# Altium PCB CM4-Tower.PcbDoc (part 1 of 10) (continued)
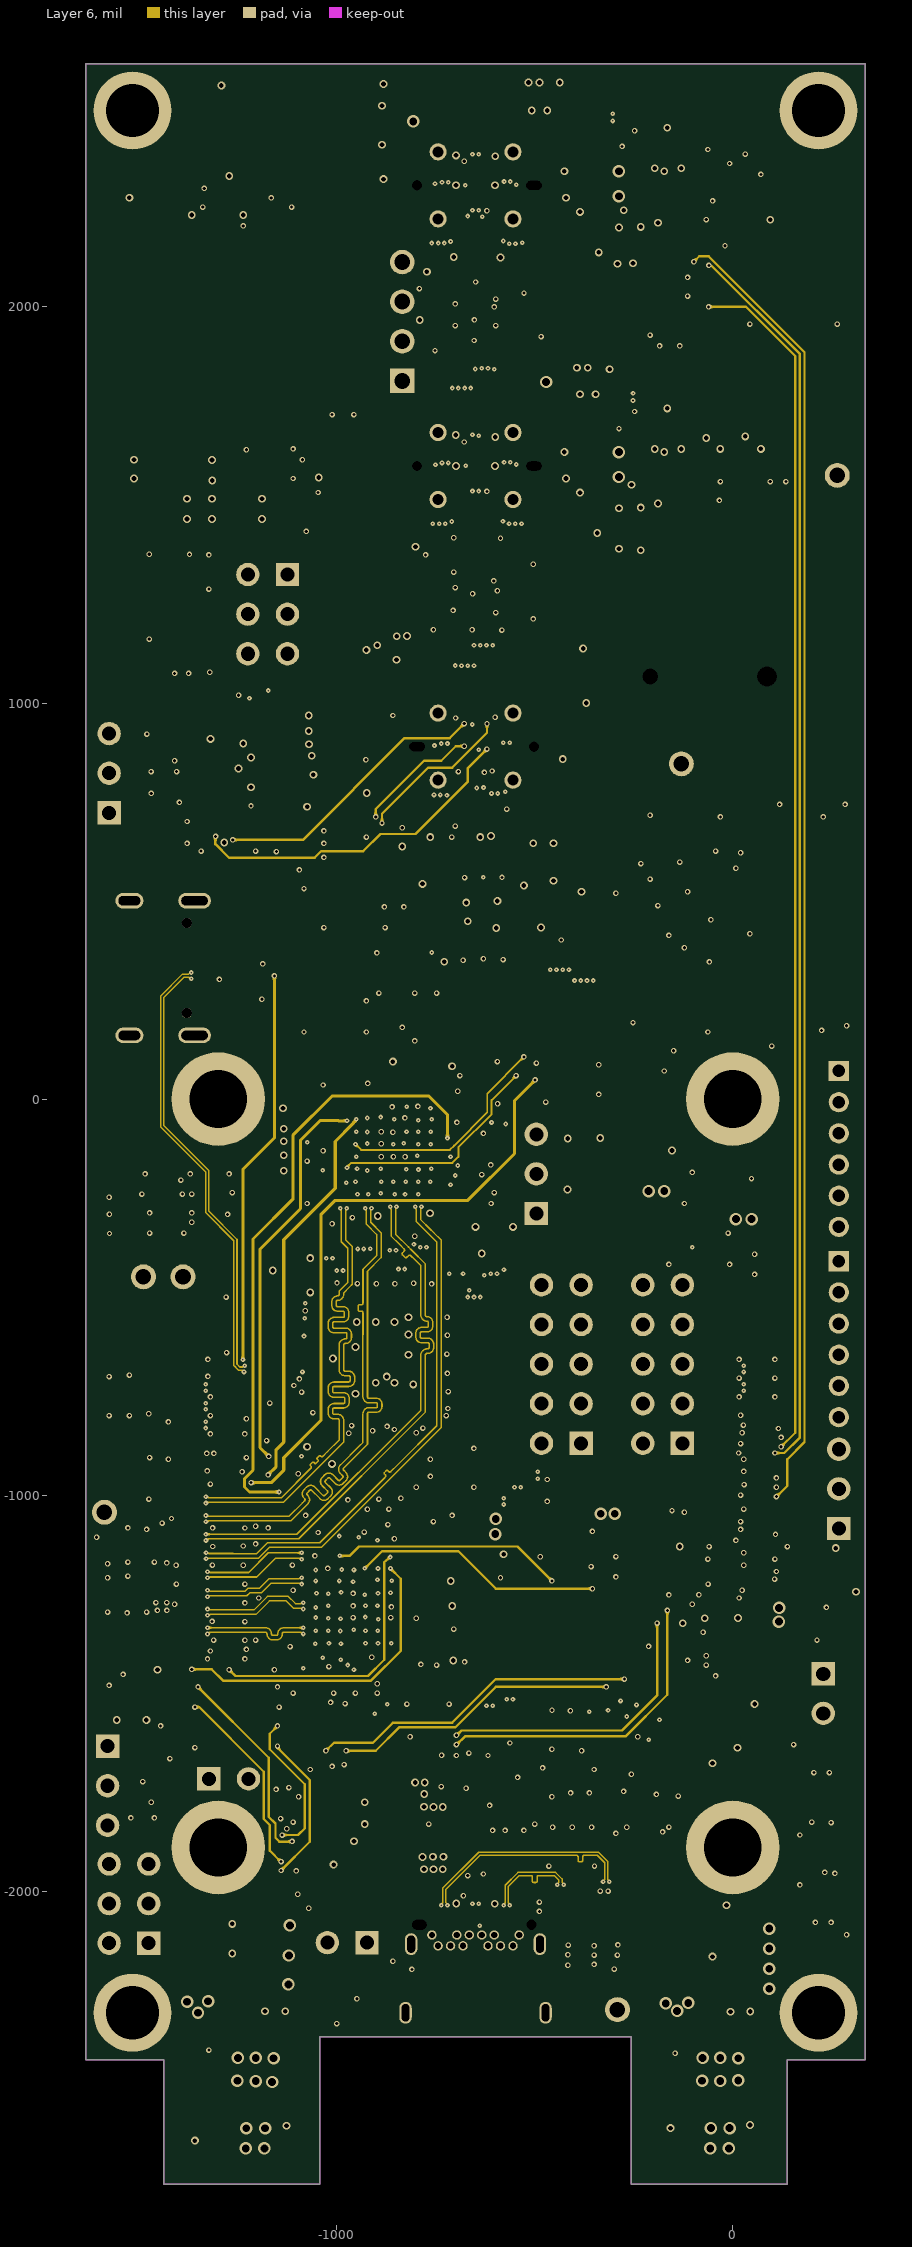
[diagram p6: Layer 6]
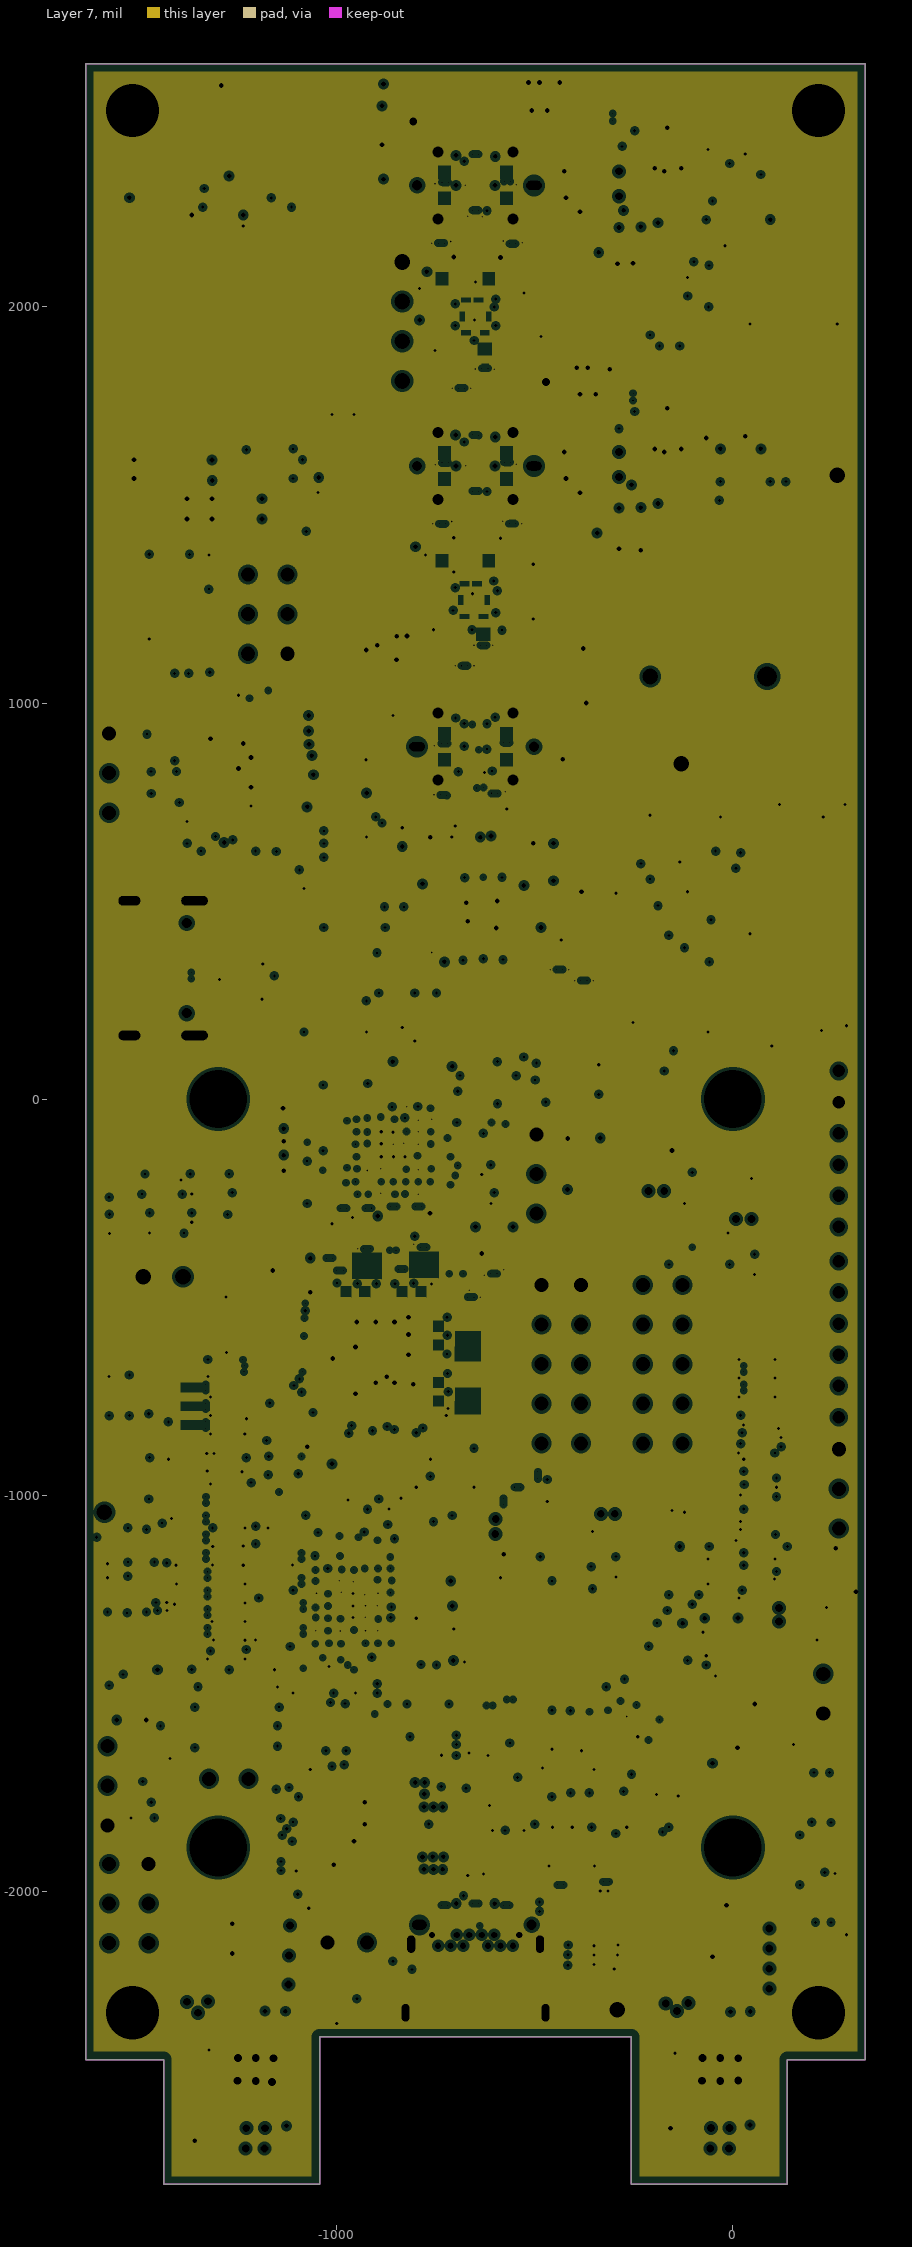
[diagram p7: Layer 7, clearances drawn from the general rule]

## Layer stack, top to bottom
Top Solder: solder mask 0.4, Solder Resist, Dk 3.5
Top Layer: signal copper 1.378
Dielectric 1: prepreg 4.6, PP-016, Dk 4.4
Layer 2: plane copper 0.7087, net GND
Dielectric 2: core 12, Core-031, Dk 4.4
Layer 3: signal copper 0.7087
Dielectric 3: prepreg 4.6, PP-016, Dk 4.4
Layer 4: plane copper 0.7087, net (Multiple Nets)
Dielectric 4: core 12, Core-031, Dk 4.4
Layer 5: plane copper 0.7087, net (Multiple Nets)
Dielectric 5: prepreg 4.6, PP-016, Dk 4.4
Layer 6: signal copper 0.7087
Dielectric 6: core 12, Core-031, Dk 4.4
Layer 7: plane copper 0.7087, net GND
Dielectric 7: prepreg 4.6, PP-016, Dk 4.4
Bottom Layer: signal copper 1.378
Bottom Solder: solder mask 0.4, Solder Resist, Dk 3.5

## Board outline
-1437.01,-2740.16 -1437.01,-2425.2 -1633.86,-2425.2 -1633.86,2614.17 334.65,2614.17 334.65,-2425.2 137.8,-2425.2 137.8,-2740.16 -255.91,-2740.16 -255.91,-2368.11 -1043.31,-2368.11 -1043.31,-2740.16

## Design rules (kind name [scope] priority, off if disabled: settings)
BoardOutlineClearance BoardOutlineClearanceText [OnLayer('Top Overlay')   or        OnLayer('Bottom Overlay')] p1: gap=0 ignorepadtopadclearanceinfootprint=FALSE
BoardOutlineClearance [All] p2: gap=10 ignorepadtopadclearanceinfootprint=FALSE except(0: Arc-SplitBarrior Arc-SplitContinuation Track-SplitBarrior Track-SplitContinuation SMDPad-SplitBarrior SMDPad-SplitContinuation THPad-SplitBarrior THPad-SplitContinuation Via-SplitBarrior Via-SplitContinuation Fill-SplitBarrior Fill-SplitContinuation Poly-SplitBarrior Poly-SplitContinuation Region-SplitBarrior Region-SplitContinuation Text-SplitBarrior Text-SplitContinuation; 5: Via-OutlineEdge Via-CavityEdge Via-CutoutEdge)
Clearance clearance_diff_pairs [(InDifferentialPairClass('All Differential Pairs'))] p1: gap=3.94 ignorepadtopadclearanceinfootprint=TRUE
Clearance [All] p2: gap=5.91 ignorepadtopadclearanceinfootprint=TRUE
ComponentClearance [All] p1: gap=-5.91 collisioncheckmode=3 verticalgap=0 showdistances=FALSE
DiffPairsRouting DiffPairsRouting_HDMI [InDifferentialPairClass('D100')] p1: maxlimit=7.48 minlimit=5.12 mostfreqgap=7.48 toplayer_maxgap=5.12 toplayer_prefgap=5.12 toplayer_minwidth=4.92 toplayer_maxwidth=4.92 toplayer_prefwidth=4.92 midlayer2_mingap=7.48 midlayer2_minwidth=3.94 midlayer2_maxwidth=3.94 midlayer2_prefwidth=3.94 midlayer5_mingap=7.48 midlayer5_minwidth=3.94 midlayer5_maxwidth=3.94 midlayer5_prefwidth=3.94 bottomlayer_maxgap=5.12 bottomlayer_prefgap=5.12 bottomlayer_minwidth=4.92 bottomlayer_maxwidth=4.92 bottomlayer_prefwidth=4.92 impedanceprofiledriven=TRUE impedanceprofileid={28E3C14A-60BD-4F3E-A410-C27EE1F36098} impedanceprofilevalue=100.000000 filterlayerstackid={47B78BBF-7302-43D3-B572-ACE52A253E61} maxuncoupledlength=500
DiffPairsRouting DiffPairsRouting_DP [InDifferentialPairClass('D100')] p2: maxlimit=9.84 minlimit=4.92 mostfreqgap=9.84 toplayer_maxgap=4.92 toplayer_prefgap=4.92 toplayer_minwidth=4.92 toplayer_maxwidth=4.92 toplayer_prefwidth=4.92 midlayer2_mingap=9.84 midlayer2_minwidth=4.92 midlayer2_maxwidth=4.92 midlayer2_prefwidth=4.92 midlayer5_mingap=9.84 midlayer5_minwidth=4.92 midlayer5_maxwidth=4.92 midlayer5_prefwidth=4.92 bottomlayer_maxgap=4.92 bottomlayer_prefgap=4.92 bottomlayer_minwidth=4.92 bottomlayer_maxwidth=4.92 bottomlayer_prefwidth=4.92 impedanceprofiledriven=TRUE impedanceprofileid={F3C74481-073F-49C8-BC51-A010F1399566} impedanceprofilevalue=100.000000 filterlayerstackid={47B78BBF-7302-43D3-B572-ACE52A253E61} maxuncoupledlength=500
DiffPairsRouting DiffPairsRouting_USB3 [InDifferentialPairClass('D90')] p3: maxlimit=3.94 minlimit=3.94 mostfreqgap=3.94 toplayer_minwidth=5.91 toplayer_maxwidth=5.91 toplayer_prefwidth=5.91 midlayer2_minwidth=3.94 midlayer2_maxwidth=3.94 midlayer2_prefwidth=3.94 midlayer5_minwidth=3.94 midlayer5_maxwidth=3.94 midlayer5_prefwidth=3.94 bottomlayer_minwidth=5.91 bottomlayer_maxwidth=5.91 bottomlayer_prefwidth=5.91 impedanceprofiledriven=TRUE impedanceprofileid={A972A141-BB81-41D6-B414-C48216292ECE} impedanceprofilevalue=90.000000 filterlayerstackid={47B78BBF-7302-43D3-B572-ACE52A253E61} maxuncoupledlength=500
DiffPairsRouting DiffPairsRouting_PCIE [InDifferentialPairClass('D85')] p4: maxlimit=5 minlimit=4.92 mostfreqgap=5 toplayer_maxgap=4.92 toplayer_prefgap=4.92 toplayer_minwidth=7.09 toplayer_maxwidth=7.09 toplayer_prefwidth=7.09 midlayer2_mingap=5 midlayer2_minwidth=4.92 midlayer2_maxwidth=4.92 midlayer2_prefwidth=4.92 midlayer5_mingap=5 midlayer5_minwidth=4.92 midlayer5_maxwidth=4.92 midlayer5_prefwidth=4.92 bottomlayer_maxgap=4.92 bottomlayer_prefgap=4.92 bottomlayer_minwidth=7.09 bottomlayer_maxwidth=7.09 bottomlayer_prefwidth=7.09 impedanceprofiledriven=TRUE impedanceprofileid={7C5B1942-E924-41D1-B3D8-77226A926B3D} impedanceprofilevalue=85.000000 filterlayerstackid={47B78BBF-7302-43D3-B572-ACE52A253E61} maxuncoupledlength=500
Height [All] p1: minheight=0 maxheight=3937.01 prefheight=500
HoleSize [All] p1: absolutevalues=TRUE maxlimit=787.4 minlimit=3.74 maxpercent=80.000 minpercent=20.000
HoleToHoleClearance [All] p1: gap=9.84 allowstackedmicrovias=TRUE
MatchedLengths MatchLengths_DP1_Passives_IC4 [InxSignalClass('xSignals_DP1_Passives_IC4_MatchLengthsClass')] p1: tolerance=7.87 checknetsindiffpair=FALSE checkdiffpairvsdiffpair=TRUE checkxsignals=TRUE checkothers=TRUE
MatchedLengths MatchLengths_xSignals_DP1_Passives [InxSignalClass('xSignals_DP1_Passives_MatchLengthsClass')] p2: tolerance=7.87 checknetsindiffpair=FALSE checkdiffpairvsdiffpair=TRUE checkxsignals=TRUE checkothers=TRUE
MatchedLengths MatchLengths_xSignals_DP1 [InxSignalClass('xSignals_DP1_MatchLengthsClass')] p3: tolerance=7.87 checknetsindiffpair=FALSE checkdiffpairvsdiffpair=TRUE checkxsignals=TRUE checkothers=TRUE
MatchedLengths MatchLengths_DP0_Passives_IC14 [InxSignalClass('xSignals_DP0_Passives_IC14_MatchLengthsClass')] p4: tolerance=7.87 checknetsindiffpair=FALSE checkdiffpairvsdiffpair=TRUE checkxsignals=TRUE checkothers=TRUE
MatchedLengths MatchLengths_xSignals_DP0_Passives [InxSignalClass('xSignals_DP0_Passives_MatchLengthsClass')] p5: tolerance=7.87 checknetsindiffpair=FALSE checkdiffpairvsdiffpair=TRUE checkxsignals=TRUE checkothers=TRUE
MatchedLengths MatchLengths_xSignals_DP0 [InxSignalClass('xSignals_DP0_MatchLengthsClass')] p6: tolerance=7.87 checknetsindiffpair=FALSE checkdiffpairvsdiffpair=TRUE checkxsignals=TRUE checkothers=TRUE
MatchedLengths MatchLengths_xSignals_HDMI1 [InxSignalClass('xSignals_HDMI1_MatchLengthsClass')] p7: tolerance=19.68 checknetsindiffpair=FALSE checkdiffpairvsdiffpair=TRUE checkxsignals=TRUE checkothers=TRUE
MatchedLengths MatchLengths_xSignals_HDMI0 [InxSignalClass('xSignals_HDMI0_MatchLengthsClass')] p8: tolerance=15.75 checknetsindiffpair=FALSE checkdiffpairvsdiffpair=TRUE checkxsignals=TRUE checkothers=TRUE
MinimumAnnularRing [All] p1: minimumring=3.94
MinimumSolderMaskSliver [All] p1: minsoldermaskwidth=0
PlaneClearance PlaneClearance_power [InNetClass('HIGH_POWER')] p1: clearance=11.81
PlaneClearance [All] p2: clearance=7.87
PlaneConnect [All] p1: planeconnectstyle=Direct reliefexpansion=20 reliefentries=4 reliefconductorwidth=10 reliefairgap=10
PolygonConnect [All] p1: connectstyle=Direct reliefconductorwidth=11.81 reliefentries=4 polygonreliefangle="90 Angle" airgapwidth=7.87
RoomDefinition EEPROM [InComponentClass('EEPROM')] p1: confinementstyle=ConfineIn formatcopy=TRUE lockcomponents=FALSE outline -1535.43,1649.61 -1098.43,1649.61 -1098.43,1429.13 -1535.43,1429.13
RoomDefinition USB_Type-C_DFP_0 [InComponentClass('USB_Type-C_DFP_0')] p2: confinementstyle=ConfineIn formatcopy=TRUE lockcomponents=FALSE outline -3602.36,-7149.61 -1602.36,-7149.61 -1602.36,-6149.61 -3602.36,-6149.61
RoomDefinition RTC [InComponentClass('RTC')] p3: confinementstyle=ConfineIn formatcopy=TRUE lockcomponents=FALSE outline -1551.18,2125.98 -866.14,2125.98 -866.14,2606.3 -1551.18,2606.3
RoomDefinition HDMI_to_DP_0 [InComponentClass('HDMI_to_DP_0')] p4: confinementstyle=ConfineIn formatcopy=TRUE lockcomponents=FALSE outline -1622.05,-1590.55 -637.8,-1590.55 -637.8,-992.13 -1622.05,-992.13
RoomDefinition PCIe_VL805 [InComponentClass('PCIe_VL805')] p5: confinementstyle=ConfineIn formatcopy=TRUE lockcomponents=FALSE outline -1629.15,-983.91 -609.47,-983.91 -609.47,-369.74 -1629.15,-369.74
RoomDefinition HDMI_to_DP_1 [InComponentClass('HDMI_to_DP_1')] p6: confinementstyle=ConfineIn formatcopy=TRUE lockcomponents=FALSE outline -307.09,-366.14 -307.09,224.41 -1622.05,224.41 -1622.05,-366.14
RoomDefinition USB_Type-C_DFP_1 [InComponentClass('USB_Type-C_DFP_1')] p7: confinementstyle=ConfineIn formatcopy=TRUE lockcomponents=FALSE outline -834.65,1098.24 98.43,1098.24 98.43,1873.83 -834.65,1873.83
RoomDefinition USB_Type-C_DFP_DP_ALT_buttom [InComponentClass('USB_Type-C_DFP_DP_ALT_buttom')] p8: confinementstyle=ConfineIn formatcopy=TRUE lockcomponents=FALSE outline -1114.17,-2366.14 -240.16,-2366.14 -240.16,-1594.49 -1114.17,-1594.49
RoomDefinition USB_Type-C_DFP_DP_ALT_0 [InComponentClass('USB_Type-C_DFP_DP_ALT_0')] p9: confinementstyle=ConfineIn formatcopy=TRUE lockcomponents=FALSE outline -1035.43,248.03 271.65,248.03 271.65,1102.36 -1035.43,1102.36
RoutingVias RoutingVias_DiffPair [InDifferentialPairClass('All Differential Pairs')] p1: holewidth=7.87 width=13.78 viastyle="Through Hole" minholewidth=7.87 minwidth=13.78 maxholewidth=7.87 maxwidth=13.78 useviatemplates=TRUE viatemplateguid#1={D500BBFF-6F57-44B9-AF77-6AA556ED18C5} viatemplatename#1=v30h10m0mx0
RoutingVias [All] p2: holewidth=11.81 width=19.68 viastyle="Through Hole" minholewidth=7.87 minwidth=13.78 maxholewidth=118.11 maxwidth=236.22 useviatemplates=TRUE viatemplateguid#1={D500BBFF-6F57-44B9-AF77-6AA556ED18C5} viatemplateguid#2={C56F2D39-7D5C-444F-8ED5-F5C2FB1094AE} viatemplateguid#3={4153C099-F13E-40CB-9A52-C342411DF9B8} viatemplateguid#4={511F5275-33DA-44CC-9D97-70A0F301AC4E} viatemplatename#1=v30h10m0mx0 viatemplatename#2=v35h20m0mx0 viatemplatename#3=v50h30m0mx0 viatemplatename#4=v80h50m0mx0
SilkToSilkClearance [All] p1: silktosilkclearance=0
SilkToSolderMaskClearance [IsPad] p1: minsilkscreentomaskgap=0 clearancetoexposedcopper=TRUE
SolderMaskExpansion [All] p1: expansion=4 istentingtop=FALSE
UnRoutedNet [All] p1: checkbadconnections=TRUE
Width Width_HighPWR [InNetClass('HIGH_POWER')] p1: maxlimit=78.74 minlimit=7.87 preferedwidth=23.62
Width Width_PWR [InNetClass('POWER')] p2: maxlimit=78.74 minlimit=7.87 preferedwidth=11.81
Width [All] p3: maxlimit=787.4 minlimit=3.94 preferedwidth=7.87
19 further rules are at their usual default settings.

## Classes and differential pairs
component class RTC: 2 B1 C162 D26 R214 R215 R216 R217 U6 Y1
component class EEPROM: C163 R218 R219 R220 R221 R222 U7
net class USB3_3: D_DFP.2_N D_DFP.2_P USB3_DFP_RX.2_N USB3_DFP_RX.2_P USB3_DFP_TX.2_N USB3_DFP_TX.2_P USB3_TX_C_N USB3_TX_C_P
net class USB3_1: D_N D_P USB1_RX_N USB1_RX_P USB1_TX_C_N USB1_TX_C_P USB1_TX_N USB1_TX_P
net class DP0: AUX_N AUX_P DP0_N DP0_P DP1_N DP1_P DP2_N DP2_P DP3_N DP3_P
differential pair class USB3: D RX1 RX2 TX1 TX2 USB2_TX USB3_DFP_RX_C.1 USB3_DFP_RX_C.2 USB3_DFP_RX_C_1 USB3_DFP_RX_C_2 USB3_DFP_TX.1 USB3_DFP_TX.2 USB3_DFP_TX_1 USB3_DFP_TX_2
net class USB_ALT1: DP_RX1_N DP_RX1_P DP_RX2_N DP_RX2_P DP_TX1_C_N DP_TX1_C_P DP_TX1_N DP_TX1_P DP_TX2_C_N DP_TX2_C_P DP_TX2_N DP_TX2_P RX1_N RX1_P RX2_N RX2_P TX1_C_N TX1_C_P TX1_N TX1_P TX2_C_N TX2_C_P TX2_N TX2_P
net class USB3: DP_USB3_RX_N DP_USB3_RX_P DP_USB3_TX_N DP_USB3_TX_P RX1_DFP.1_N RX1_DFP.1_P RX1_DFP.2_N RX1_DFP.2_P RX2_DFP.1_N RX2_DFP.1_P RX2_DFP.2_N RX2_DFP.2_P TX1_DFP_C.1_N TX1_DFP_C.1_P TX1_DFP_C.2_N TX1_DFP_C.2_P TX2_DFP_C.1_N TX2_DFP_C.1_P TX2_DFP_C.2_N TX2_DFP_C.2_P USB1_RX_N USB1_RX_P USB1_TX_N USB1_TX_P USB3_DFP_RX.1_N USB3_DFP_RX.1_P USB3_DFP_RX.2_N USB3_DFP_RX.2_P USB3_DFP_TX.1_N USB3_DFP_TX.1_P USB3_DFP_TX.2_N USB3_DFP_TX.2_P
net class USB3_4: D_DFP.1_N D_DFP.1_P USB3_DFP_RX.1_N USB3_DFP_RX.1_P USB3_DFP_TX.1_N USB3_DFP_TX.1_P USB4_TX_C_N USB4_TX_C_P
net class USB3_2: DP_D_N DP_D_P DP_USB3_RX_N DP_USB3_RX_P DP_USB3_TX_N DP_USB3_TX_P USB2_TX_C_N USB2_TX_C_P
net class USB2: D_DFP.1_N D_DFP.1_P D_DFP.2_N D_DFP.2_P D_N D_P DP_D_N DP_D_P USB_N USB_P
net class POWER: 1V2_L 1V05_L +1V2 +1V05 +3V3 +5V NetIC1_8 NetIC9_8 NetIC13_11 VBUS_DFP.1 VBUS_DFP.2
net class HIGH_POWER: VBUS VPWR
net class HDMI1: HDMI1_CEC HDMI1_CK_N HDMI1_CK_P HDMI1_HOT HDMI1_SCL HDMI1_SDA HDMI1_TD0_N HDMI1_TD0_P HDMI1_TD1_N HDMI1_TD1_P HDMI1_TD2_N HDMI1_TD2_P
net class HDMI0: HDMI0_CEC HDMI0_CK_N HDMI0_CK_P HDMI0_HOT HDMI0_SCL HDMI0_SDA HDMI0_TD0_N HDMI0_TD0_P HDMI0_TD1_N HDMI0_TD1_P HDMI0_TD2_N HDMI0_TD2_P
net class DP: XAUX.1_N XAUX.1_P XAUX.2_N XAUX.2_P XDP0.1_N XDP0.1_P XDP0.2_N XDP0.2_P XDP1.1_N XDP1.1_P XDP1.2_N XDP1.2_P XDP2.1_N XDP2.1_P XDP2.2_N XDP2.2_P XDP3.1_N XDP3.1_P XDP3.2_N XDP3.2_P
net class DP1: AUX.2_N AUX.2_P DP0.2_N DP0.2_P DP1.2_N DP1.2_P DP2.2_N DP2.2_P DP3.2_N DP3.2_P
net class D100: HDMI0_CK_N HDMI0_CK_P HDMI0_TD0_N HDMI0_TD0_P HDMI0_TD1_N HDMI0_TD1_P HDMI0_TD2_N HDMI0_TD2_P HDMI1_CK_N HDMI1_CK_P HDMI1_TD0_N HDMI1_TD0_P HDMI1_TD1_N HDMI1_TD1_P HDMI1_TD2_N HDMI1_TD2_P
net class D85: CLK_N CLK_P CLK_R_N CLK_R_P PCIE_RX_N PCIE_RX_P PCIE_TX_N PCIE_TX_P RX_R_N RX_R_P
component class USB_Type-C_DFP_DP_ALT_buttom: C46 C133 C134 C135 C136 C137 C138 C139 C140 C141 C142 C143 C144 C145 C146 C147 C149 C151 C152 C153 C154 C160 C161 CO5 D19 D20 D21 D22 D25 IC14 IC15 IC16 J9 R150 R151 R152 R153 R154 R155 R156 R157 R158 R159 R160 R161 R162 R163 R164 R165 R166 R167 R168 R169 R170 R171 R172 R173 R174 R175 R176 R177 R178 R180 R181 R182 R183 R186 R187 R190 R191 R197 R202 R203 R204 R205 R206 R207 R210 R211 R212 R213 X6
net class PCIe: CLK_N CLK_P CLK_R_N CLK_R_P CM4_rstn PCIE_CLK_NREQ PCIe_NRST PCIE_RX_N PCIE_RX_P PCIE_TX_N PCIE_TX_P RX_R_N RX_R_P
differential pair class D100: AUX AUX.2 AUX_1 AUX_2 DP0 DP0.2 DP0_1 DP0_2 DP1 DP1.2 DP1_1 DP1_2 DP2 DP2.2 DP2_1 DP2_2 DP3 DP3.2 DP3_1 DP3_2 HDMI0_CK HDMI0_TD0 HDMI0_TD1 HDMI0_TD2 HDMI1_CK HDMI1_TD0 HDMI1_TD1 HDMI1_TD2 TRD0 TRD1 TRD2 TRD3 XAUX.1 XAUX.2 XAUX_1 XAUX_2 XDP0.1 XDP0.2 XDP0_1 XDP0_2 XDP1.1 XDP1.2 XDP1_1 XDP1_2 XDP2.1 XDP2.2 XDP2_1 XDP2_2 XDP3.1 XDP3.2 XDP3_1 XDP3_2
channel class 06_USB_Type-C_DFP: USB_Type-C_DFP_0 USB_Type-C_DFP_1
channel class 05_HDMI_to_DP: HDMI_to_DP_0 HDMI_to_DP_1
component class USB_Type-C_DFP_DP_ALT_0: C31 C32 C33 C34 C35 C36 C37 C38 C39 C40 C41 C42 C43 C44 C45 C47 C48 C91 C130 C131 C132 C148 C159 CO1 CO403_1 D6 D7 D9 D17 D24 D403_1 D406_1 IC4 IC5 IC13 J4 J?_1 R44 R72 R73 R74 R75 R76 R77 R78 R79 R80 R81 R82 R83 R84 R85 R86 R87 R88 R89 R90 R91 R92 R93 R94 R95 R96 R98 R99 R100 R101 R102 R103 R105 R112 R144 R179 R184 R185 R188 R189 R192 R193 R194 R195 R196 R198 R199 R200 R201 X5
component class USB_Type-C_DFP_1: C21.2 C22.2 C23.2 C24.2 C25.2 C26.2 C27.2 C28.2 C29.2 C30.2 C126.2 C127.2 C150.2 C155.2 C156.2 C157.2 C158.2 C426_2 C428_2 CO4.2 CO403_2 D2.2 D4.2 D5.2 D8.2 D403_2 D406_2 IC3.2 IC6.2 IC403_2 R55.2 R56.2 R57.2 R58.2 R59.2 R60.2 R61.2 R62.2 R63.2 R64.2 R65.2 R66.2 R67.2 R68.2 R69.2 R97.2 R104.2 R106.2 R127.2 R128.2 R223.2 R237.2 R238.2 R239.2 R240.2 R241.2 R242.2 R243.2 R244.2
component class USB_Type-C_DFP_0: C21.1 C22.1 C23.1 C24.1 C25.1 C26.1 C27.1 C28.1 C29.1 C30.1 C126.1 C127.1 C150.1 C155.1 C156.1 C157.1 C158.1 C426_1 C428_1 CO4.1 CO403_1 D2.1 D4.1 D5.1 D8.1 D403_1 D406_1 IC3.1 IC6.1 IC403_1 R55.1 R56.1 R57.1 R58.1 R59.1 R60.1 R61.1 R62.1 R63.1 R64.1 R65.1 R66.1 R67.1 R68.1 R69.1 R97.1 R104.1 R106.1 R127.1 R128.1 R223.1 R237.1 R238.1 R239.1 R240.1 R241.1 R242.1 R243.1 R244.1
component class HDMI_to_DP_1: C92.2 C93.2 C94.2 C95.2 C96.2 C97.2 C98.2 C99.2 C100.2 C101.2 C102.2 C103.2 C104.2 C105.2 C106.2 C107.2 C108.2 C109.2 C110.2 C111.2 C112.2 C113.2 C114.2 C115.2 C116.2 C117.2 C118.2 C119.2 C120.2 C121.2 C122.2 C123.2 C124.2 C125.2 C128.2 C129.2 C501_2 C502_2 C503_2 C504_2 C505_2 C506_2 C507_2 C508_2 C509_2 C510_2 C511_2 C512_2 C513_2 C514_2 C515_2 C516_2 C517_2 C518_2 C519_2 C520_2 C521_2 C522_2 C523_2 C524_2 C525_2 C526_2 C527_2 C528_2 C529_2 C530_2 C531_2 C532_2 C533_2 C534_2 C535_2 C536_2 C537_2 D3.2 IC2.2 IC12.2 J3.2 Q1.2 R23.2 R24.2 R25.2 R26.2 R27.2 R28.2 R29.2 R30.2 R31.2 R32.2 R33.2 R34.2 R35.2 R36.2 R37.2 R38.2 R39.2 R40.2 R41.2 R42.2 R43.2 R45.2 R46.2 R47.2 R48.2 R49.2 R50.2 R51.2 R52.2 R53.2 R54.2 R70.2 R71.2 R143.2 R145.2 R146.2 R147.2 R148.2 R149.2 R501_2 R502_2 R503_2 R504_2 TP10.2 Y3.2
component class HDMI_to_DP_0: C92.1 C93.1 C94.1 C95.1 C96.1 C97.1 C98.1 C99.1 C100.1 C101.1 C102.1 C103.1 C104.1 C105.1 C106.1 C107.1 C108.1 C109.1 C110.1 C111.1 C112.1 C113.1 C114.1 C115.1 C116.1 C117.1 C118.1 C119.1 C120.1 C121.1 C122.1 C123.1 C124.1 C125.1 C128.1 C129.1 C501_1 C502_1 C503_1 C504_1 C505_1 C506_1 C507_1 C508_1 C509_1 C510_1 C511_1 C512_1 C513_1 C514_1 C515_1 C516_1 C517_1 C518_1 C519_1 C520_1 C521_1 C522_1 C523_1 C524_1 C525_1 C526_1 C527_1 C528_1 C529_1 C530_1 C531_1 C532_1 C533_1 C534_1 C535_1 C536_1 C537_1 D3.1 IC2.1 IC12.1 J3.1 Q1.1 R23.1 R24.1 R25.1 R26.1 R27.1 R28.1 R29.1 R30.1 R31.1 R32.1 R33.1 R34.1 R35.1 R36.1 R37.1 R38.1 R39.1 R40.1 R41.1 R42.1 R43.1 R45.1 R46.1 R47.1 R48.1 R49.1 R50.1 R51.1 R52.1 R53.1 R54.1 R70.1 R71.1 R143.1 R145.1 R146.1 R147.1 R148.1 R149.1 R501_1 R502_1 R503_1 R504_1 TP10.1 Y3.1
net class UART_STDP2600: RXD.1 RXD.2 TXD.1 TXD.2
differential pair class D90: D D_1 D_2 D_DFP.1 D_DFP.2 D_DFP_1 D_DFP_2 D_DFP_R.1 D_DFP_R.2 D_DFP_R_1 D_DFP_R_2 DP_D DP_RX1 DP_RX2 DP_SBU DP_TX1 DP_TX1_C DP_TX2 DP_TX2_C DP_USB3_RX DP_USB3_RX_C DP_USB3_TX RX1 RX1_1 RX1_2 RX1_DFP.1 RX1_DFP.2 RX1_DFP_1 RX1_DFP_2 RX2 RX2_1 RX2_2 RX2_DFP.1 RX2_DFP.2 RX2_DFP_1 RX2_DFP_2 SBU_S TX1 TX1_1 TX1_2 TX1_C TX1_C_1 TX1_C_2 TX1_DFP.1 TX1_DFP.2 TX1_DFP_1 TX1_DFP_2 TX1_DFP_C.1 TX1_DFP_C.2 TX2 TX2_1 TX2_2 TX2_C TX2_C_1 TX2_C_2 TX2_DFP.1 TX2_DFP.2 TX2_DFP_1 TX2_DFP_2 TX2_DFP_C.1 TX2_DFP_C.2 USB USB1_RX USB1_TX USB1_TX_C USB2_RX USB2_TX USB2_TX_C USB3_DFP_RX.1 USB3_DFP_RX.2 USB3_DFP_RX_1 USB3_DFP_RX_2 USB3_DFP_TX.1 USB3_DFP_TX.2 USB3_DFP_TX_1 USB3_DFP_TX_2 USB3_RX USB3_RX_2 USB3_RX_C USB3_RX_C_1 USB3_RX_C_2 USB3_TX USB3_TX_2 USB3_TX_C USB4_TX_C USBF0 USBF0_RX USBF0_RX1 USBF0_RX2 USBF0_TX USBF0_TX1 USBF0_TX2 USBF0_XRX USBF0_XTX USBF0_XTX1 USBF0_XTX2 USBF1 USBF1_RX USBF1_RX1 USBF1_RX2 USBF1_TX USBF1_TX1 USBF1_TX2 USBF1_XRX USBF1_XTX USBF2 USBF2_RX USBF2_RX1 USBF2_RX2 USBF2_TX USBF2_TX1 USBF2_TX2 USBF2_XRX USBF2_XTX USBG USBG_RX USBG_RX1 USBG_RX2 USBG_TX USBG_TX1 USBG_TX2 USBG_XRX USBG_XTX
differential pair class D85: CLK CLK_R PCIe_CLK PCIe_RX PCIe_TX PCIe_XCLK PCIe_XRX RX_R
component class PCIe_VL805: C8 C9 C10 C11 C12 C14 C15 C59 C60 C67 C68 C69 C70 C71 C72 C73 C74 C75 C76 C77 C78 C79 C80 C81 C82 C83 C84 C85 C86 C87 C88 C89 C90 IC11 R7 R11 R22 R131 R132 R133 R134 R135 R136 R137 R138 R139 R140 R141 R142 U9 Y2
component class RPiCM4: C49 C50 C51 C52 C53 C54 C55 C56 C66 C164 CO3 D10 D11 D12 D13 D14 IC7 IC8 J1 J2 J5 J6 J7 J8 J12 MO1 P1 P2 R16 R17 R18 R19 R20 R21 R113 R114 R115 R116 R117 R118 R119 R120 R121 R122 R123 R124 R125 R126 R208 R209 R224 Snap1 U4 U8 X1 X2
component class 01_Top: Fid1 Fid2 Fid3 Fid4 H1 H2 H3 H4
component class Power: C1 C2 C3 C4 C5 C6 C7 C13 C16 C17 C18 C19 C20 C57 C58 C61 C62 C63 C64 C65 C165 C166 D1 D15 IC1 IC9 J11 L1 L2 L3 L4 R1 R2 R3 R4 R5 R6 R8 R9 R10 R12 R13 R14 R15 R107 R108 R109 R110 R111 R229 R230 R231 R232 R245 TP1 TP2 TP3 TP4 TP5 TP6 TP7 TP8 TP9 U1 U2 U3
differential pair TX2_DFP.2: +TX2_DFP.2_P -TX2_DFP.2_N
differential pair TX2_DFP.1: +TX2_DFP.1_P -TX2_DFP.1_N
differential pair TX1_DFP.2: +TX1_DFP.2_P -TX1_DFP.2_N
differential pair TX1_DFP.1: +TX1_DFP.1_P -TX1_DFP.1_N
differential pair TX2_DFP_C.2: +TX2_DFP_C.2_P -TX2_DFP_C.2_N
differential pair TX2_DFP_C.1: +TX2_DFP_C.1_P -TX2_DFP_C.1_N
differential pair TX1_DFP_C.2: +TX1_DFP_C.2_P -TX1_DFP_C.2_N
differential pair TX1_DFP_C.1: +TX1_DFP_C.1_P -TX1_DFP_C.1_N
differential pair TRD3: +TRD3_P -TRD3_N
differential pair TRD2: +TRD2_P -TRD2_N
differential pair TRD1: +TRD1_P -TRD1_N
differential pair TRD0: +TRD0_P -TRD0_N
differential pair XDP3.2: +XDP3.2_P -XDP3.2_N
differential pair XDP3.1: +XDP3.1_P -XDP3.1_N
differential pair XDP2.2: +XDP2.2_P -XDP2.2_N
differential pair XDP2.1: +XDP2.1_P -XDP2.1_N
differential pair XDP1.2: +XDP1.2_P -XDP1.2_N
differential pair XDP1.1: +XDP1.1_P -XDP1.1_N